# Altium PCB Power_Board_PCB.PcbDoc (part 3 of 3)
Units mm, origin at the board's own origin, x right, y up, seen from the top; angles counter-clockwise.
Board outline 172.72 x 88.9 mm, 2 copper layers (Top Layer, Bottom Layer); 217 components, 117 nets, 695 pads, 319 vias.
Unrouted connection lines stored in the file: 1.
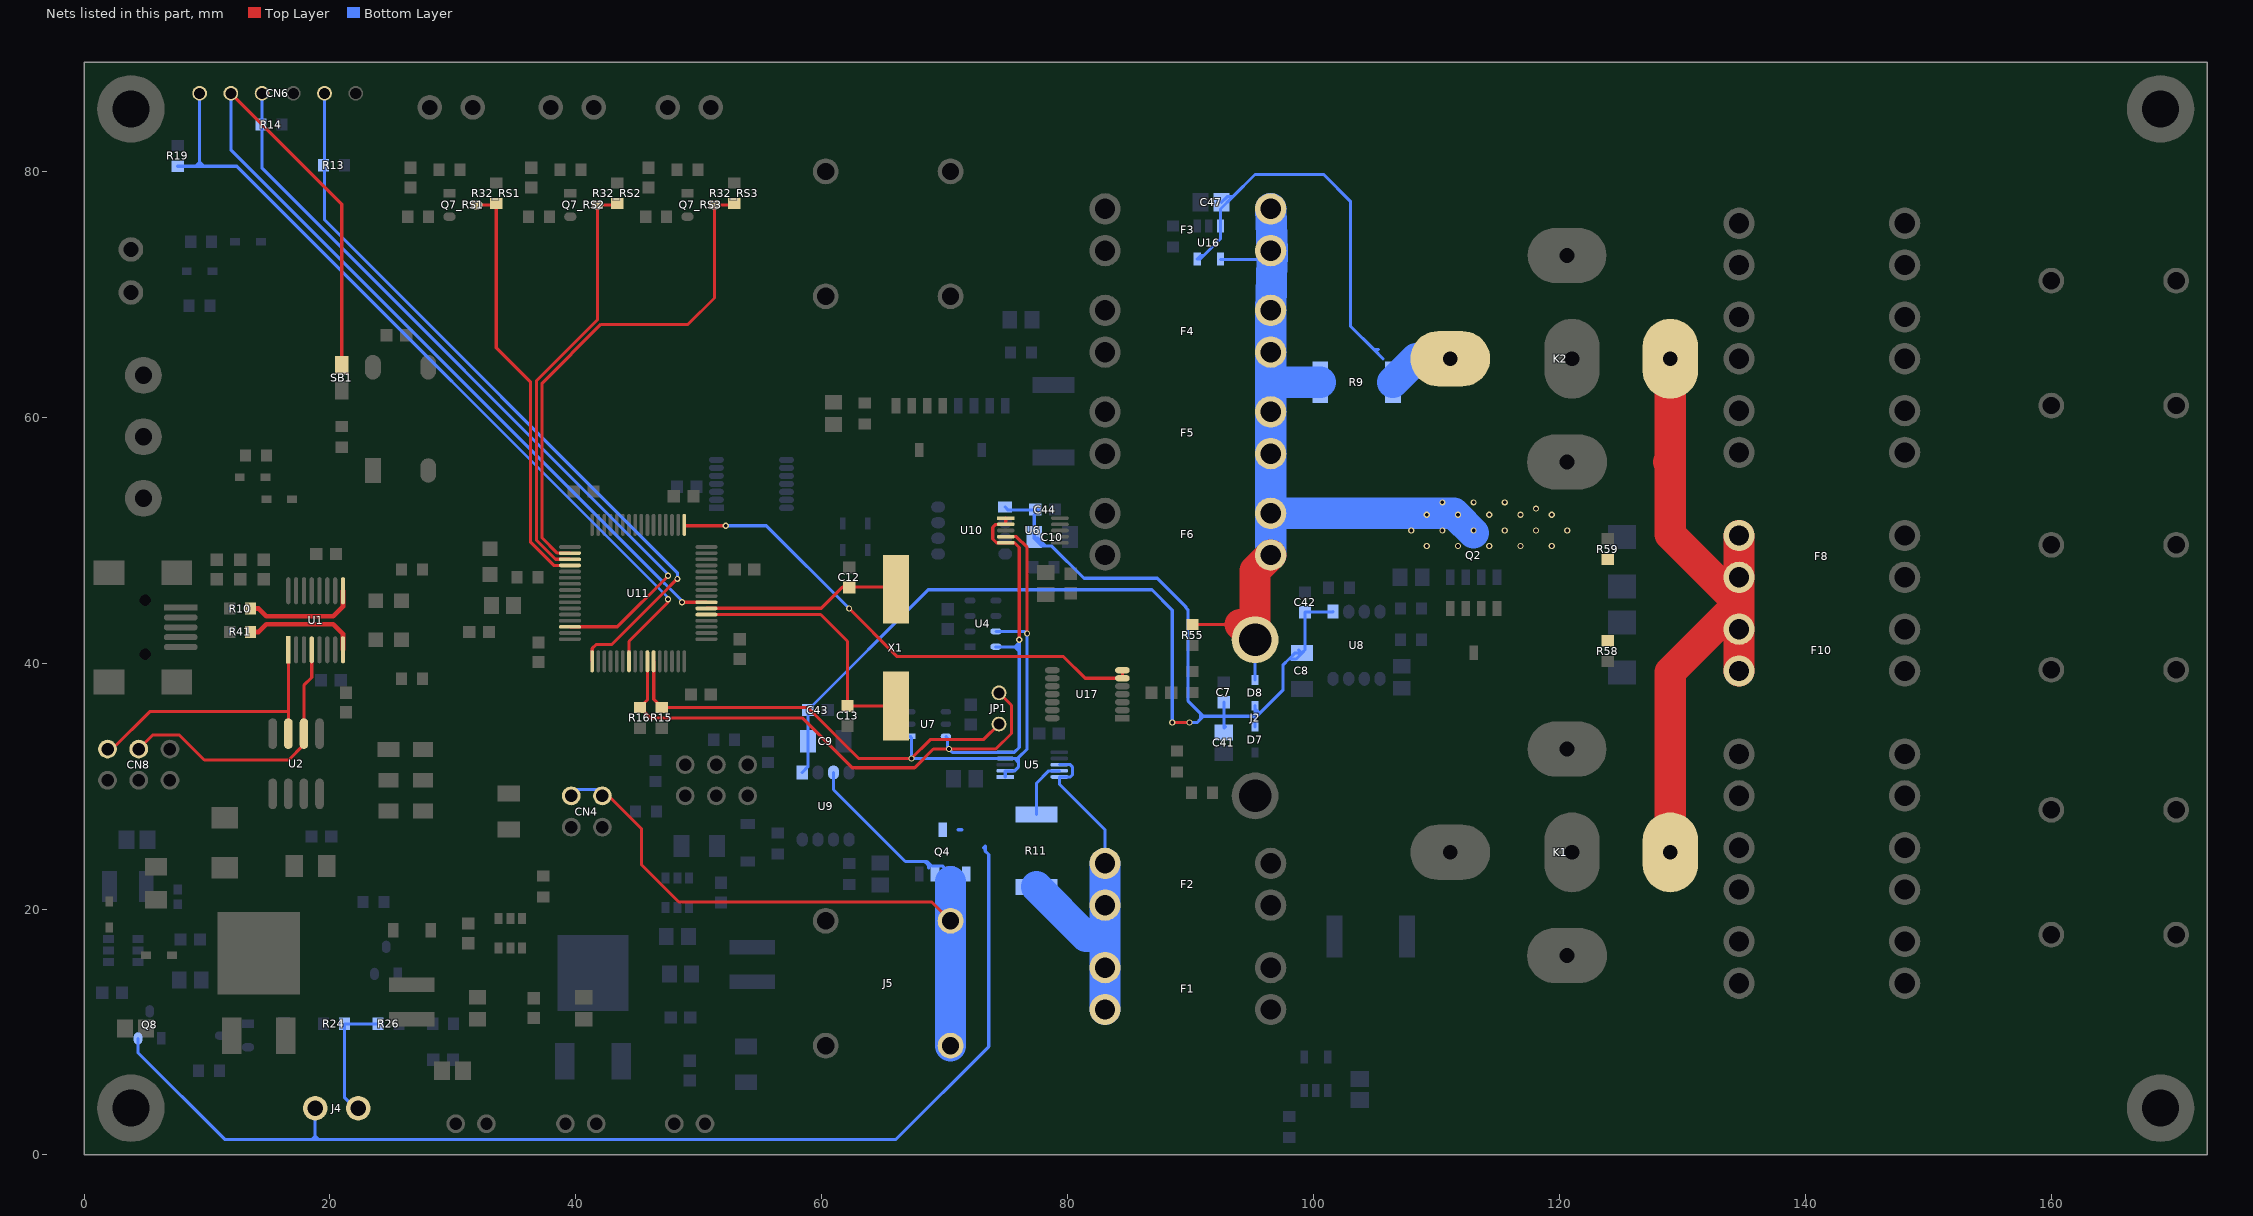
[diagram p3: the nets of this part, all layers, seen from the top]

## Via types
v1: diameter 0.508, hole 0.3, Top Layer to Bottom Layer, 182 vias
v2: diameter 1.016, hole 0.508, Top Layer to Bottom Layer, 86 vias
v3: diameter 1.016, hole 0.635, Top Layer to Bottom Layer, 51 vias

## Nets (pads, with @x,y where several pads share a name; then routed paths per layer and width w, separated by ;. In a path a pad name is that pad's centre, name@x,y a point inside that pad or via, vN(x,y) a via of type N, cw(c..) or ccw(c..) an arc to the next point about the centre after c; other vN are vias at no path point) (continued)
NetU11_17: U11.17 U17.6 U17.7 | length 41.5
  Top Layer w0.254: U11.17@48.835,51.27 48.835,51.181 v1(52.197,51.181) ; v1(62.23,44.45) 66.142,40.538 79.67,40.538 81.429,38.78 U17.6@84.455,38.78 U17.7@84.455,39.43
  Bottom Layer w0.254: v1(52.197,51.181) 55.499,51.181 v1(62.23,44.45)
NRST: CN6.5 SB1.2 U11.7 | length 84.5
  Top Layer w0.254: CN6.5@11.938,86.36 20.955,77.343 SB1.2@20.955,64.23 ; v1(48.641,44.958) U11.7@50.623,44.958 U11.7@50.635,44.97
  Bottom Layer w0.254: CN6.5@11.938,86.36 11.938,81.77 47.235,46.473 47.253,46.473 48.641,45.085 v1(48.641,44.958)
OSC_IN: C13.2 U11.5 X1.2 | length 21.6
  Top Layer w0.254: U11.5@50.635,43.97 59.916,43.97 62.103,41.783 C13.2@62.103,36.525 X1.2@66.04,36.525
OSC_OUT: C12.2 U11.6 X1.1 | length 16.2
  Top Layer w0.254: U11.6@50.635,44.47 59.964,44.47 61.684,46.19 C12.2@62.23,46.19 65.875,46.19 X1.1@66.04,46.025
"Reed Switch Line": J4.2 R24.2 R26.2 | length 10.3
  Bottom Layer w0.254: J4.2@22.296,3.556 21.17,4.682 R24.2@21.17,10.668 R26.2@23.915,10.668
Reed-Switch-Input1: Q7_RS1.3 R32_RS1.1 U11.36 | length 34.3
  Top Layer w0.254: Q7_RS1.3@31.918,77.277 33.423,77.277 R32_RS1.1@33.528,77.382 ; R32_RS1.1@33.782,77.277 33.528,77.023 33.528,65.659 36.322,62.865 36.322,49.839 38.203,47.958 U11.36@39.523,47.958
Reed-Switch-Input2: Q7_RS2.3 R32_RS2.1 U11.35 | length 34.3
  Top Layer w0.254: U11.35@39.523,48.458 38.349,48.458 36.805,50.003 36.805,62.978 41.753,67.927 Q7_RS2.3@41.753,77.277 43.258,77.277 R32_RS2.1@43.363,77.382
Reed-Switch-Input3: Q7_RS3.3 R32_RS3.1 U11.34 | length 41.5
  Top Layer w0.254: U11.34@39.523,48.958 38.496,48.958 37.262,50.192 37.262,62.789 42.037,67.564 49.129,67.564 51.278,69.713 Q7_RS3.3@51.278,77.277 52.783,77.277 R32_RS3.1@52.888,77.382
Right-Battery: C47.2 K2.30 R9.1 U16.3 U16.5 | length 39.1
  Bottom Layer w0.254: C47.2@92.519,77.495 92.976,77.953 93.447,77.953 ; 105.283,65.532 104.902,65.532 ; 105.664,64.77 104.902,65.532 ; 91.059,73.152 92.441,74.534 U16.3@92.441,75.569 92.441,76.947 93.447,77.953 ; 91.059,73.152 90.776,72.869 U16.5@90.541,72.869 90.824,73.152 91.059,73.152 ; 93.447,77.953 95.25,79.756 100.838,79.756 103.004,77.59 103.004,67.43 104.902,65.532
  Bottom Layer w2.54: R9.1@106.455,62.865 108.36,64.77 K2.30@111.132,64.77
Right-Battery-Shunted: D8.A F3.2 F4.2 F5.2 F6.2 J2.2 Q2.5 R9.2 R55.1 U16.4 | length 70.5
  Top Layer w0.254: R55.1@90.17,43.141 J2.2@94.019,43.141
  Top Layer w2.54: J2.2@94.019,43.141 J2.2@95.25,41.91 95.25,47.527 F6.2@96.52,48.797
  Bottom Layer w0.254: U16.4@92.441,72.847 96.631,72.847 F3.2@96.668,72.847 ; D8.A@95.25,38.642 J2.2@95.25,41.91
  Bottom Layer w2.54: F6.2@96.52,48.797 F6.2@96.52,52.197 ; F3.2@96.52,76.962 96.642,73.566 F3.2@96.668,72.847 ; F3.2@96.647,73.435 96.631,72.847 F4.2@96.52,68.707 F4.2@96.52,65.307 96.52,62.88 ; R9.2@100.555,62.865 96.534,62.865 96.52,62.88 ; Q2.5@113.03,50.59 111.655,51.965 111.423,52.197 F6.2@96.52,52.197 ; F6.2@96.52,52.197 F5.2@96.52,57.052 F5.2@96.52,60.452 96.52,62.88
  other v1: 109.22,49.53 111.76,49.53 114.3,49.53 116.84,49.53 119.38,49.53 107.95,50.8 110.49,50.8 113.03,50.8 115.57,50.8 118.11,50.8 120.65,50.8 109.22,52.07 111.76,52.07 114.3,52.07 116.84,52.07 119.38,52.07 118.11,52.578 110.49,53.086 113.03,53.086 115.57,53.086
RX-USB: CN8.2 U1.4 U2.2 | length 23.3
  Top Layer w0.254: CN8.2@4.445,33.02 5.588,34.163 7.747,34.163 9.779,32.131 16.637,32.131 17.882,33.376 U2.2@17.882,34.276 17.882,38.202 18.517,38.837 U1.4@18.517,41.097
SCL: JP1.2 R16.2 U4.8 U5.5 U6.1 U6.2 U6.5 U7.6 U11.58 | length 72.6
  Top Layer w0.254: U11.58@45.835,40.17 45.835,37.033 R16.2@45.212,36.41 46.062,35.56 58.42,35.56 62.484,31.496 67.564,31.496 69.088,33.02 v1(70.358,33.02) 74.168,33.02 75.438,34.29 75.438,36.576 JP1.2@74.422,37.592 ; U6.1@74.975,51.8 U6.2@74.975,51.3 74.16,51.3 73.914,51.054 73.914,50.107 74.221,49.8 U6.5@74.975,49.8 75.683,49.8 76.073,49.41 v1(76.073,41.91)
  Bottom Layer w0.254: U7.6@70.104,34.052 70.231,33.925 70.231,33.147 v1(70.358,33.02) 70.628,32.75 U5.5@74.93,32.75 75.676,32.75 76.073,33.147 76.073,40.956 ; U4.8@74.143,41.32 75.708,41.32 ; 76.073,41.295 76.073,41.177 ; 76.073,41.298 v1@76.073,41.685 ; v1(76.073,41.91) v1@76.073,41.685 ; 75.708,41.32 76.073,40.956 ; 75.708,41.32 75.819,41.431 ; 75.819,41.431 v1@76.073,41.685 ; 75.819,41.431 76.073,41.177 ; 76.073,40.956 76.073,41.177
SDA: JP1.1 R15.2 U4.7 U5.1 U5.2 U5.4 U6.4 U7.1 U11.59 | length 70
  Top Layer w0.254: U11.59@46.335,40.17 46.335,37.065 R15.2@46.99,36.41 58.84,36.41 63,32.25 63.008,32.258 v1(67.31,32.258) 68.834,33.782 73.152,33.782 JP1.1@74.422,35.052 ; U6.4@74.975,50.3 75.83,50.3 76.708,49.422 v1(76.708,42.418)
  Bottom Layer w0.254: U7.1@67.204,34.052 67.31,33.946 v1(67.31,32.258) 67.318,32.25 U5.4@74.93,32.25 75.7,32.25 ; U4.7@74.168,42.596 76.632,42.596 76.708,42.52 v1(76.708,42.418) 76.708,33.02 75.997,32.309 ; U5.1@74.93,30.75 U5.2@74.93,31.25 75.7,31.25 75.997,31.547 75.997,31.953 ; 75.7,32.25 75.938,32.25 ; 75.7,32.25 75.997,31.953 ; 75.938,32.25 75.997,32.309 ; 75.938,32.25 75.997,32.191 ; 75.997,31.953 75.997,32.191 ; 75.997,32.191 75.997,32.309
SWCLK: CN6.2 R13.2 U11.49 | length 61.7
  Top Layer w0.254: U11.49@41.335,40.17 41.335,41.208 41.656,41.529 42.926,41.529 46.863,45.466 46.863,45.475 48.251,46.863 v1(48.26,46.863)
  Bottom Layer w0.254: CN6.2@19.558,86.36 19.558,76.064 48.26,47.362 v1(48.26,46.863)
SWDIO: CN6.4 R14.1 U11.46 | length 62.6
  Top Layer w0.254: U11.46@39.535,42.97 43.382,42.97 47.498,47.086 v1(47.498,47.108)
  Bottom Layer w0.254: CN6.4@14.478,86.36 14.478,80.264 47.498,47.244 v1(47.498,47.108)
SWO: CN6.6 R19.1 U11.55 | length 67.8
  Top Layer w0.254: U11.55@44.335,40.17 44.323,40.182 44.323,41.783 47.498,44.958 v1(47.498,45.212)
  Bottom Layer w0.254: R19.1@7.62,80.43 9.056,80.43 ; CN6.6@9.398,86.36 9.398,80.772 ; v1(47.498,45.212) 47.498,45.348 12.416,80.43 9.74,80.43 ; 9.056,80.43 9.398,80.772 ; 9.056,80.43 9.398,80.43 ; 9.398,80.43 9.398,80.772 ; 9.398,80.43 9.74,80.43 ; 9.398,80.772 9.74,80.43
System-Draw: F1.1 F2.1 R11.2 U5.8 U5.10 | length 30.6
  Bottom Layer w0.254: U5.8@79.33,31.75 80.213,31.75 80.391,31.572 80.391,30.912 80.229,30.75 U5.10@79.33,30.75 79.33,30.181 83.05,26.461 F2.1@83.05,23.72
  Bottom Layer w2.54: R11.2@77.47,21.815 81.505,17.78 83.05,17.78 ; F1.1@83.05,11.84 F1.1@83.05,15.24 83.05,17.78 ; F2.1@83.05,23.72 F2.1@83.05,20.32 83.05,17.78
System-Draw-Shunted: J4.1 Q4.5 Q8.2 R11.1 U5.9 | length 101.1
  Bottom Layer w0.254: Q8.2@4.384,9.484 4.384,8.316 11.43,1.27 18.542,1.27 ; J4.1@18.796,3.556 18.796,1.524 ; 71.106,26.46 71.415,26.46 ; 73.182,24.989 73.309,25.116 73.309,24.719 73.584,24.444 73.584,8.814 66.04,1.27 19.05,1.27 ; R11.1@77.47,27.715 77.47,30.251 78.469,31.25 U5.9@79.33,31.25 ; 18.542,1.27 18.796,1.524 ; 18.542,1.27 18.796,1.27 ; 18.796,1.27 18.796,1.524 ; 18.796,1.27 19.05,1.27 ; 18.796,1.524 19.05,1.27
System-Power: CN4.1 CN4.2 J5.2 Q4.1 Q4.2 Q4.3 U9.3 | length 65.7
  Top Layer w0.254: CN4.2@42.164,29.718 45.339,26.543 45.339,23.613 48.378,20.574 68.961,20.574 J5.2@70.485,19.05
  Bottom Layer w0.254: CN4.1@39.624,29.718 CN4.2@42.164,29.718 ; U9.3@60.96,31.115 60.96,29.718 66.802,23.876 68.199,23.876 ; Q4.2@70.485,22.86 69.85,23.495 68.961,23.495 68.58,23.876 68.199,23.876 ; 68.199,23.876 cw(c68.199,23.368) 68.707,23.368 ccw(c68.199,23.368) 68.199,23.876
  Bottom Layer w2.54: J5.2@70.485,8.89 J5.2@70.485,19.05 70.485,22.225
Tether: F8.2 F10.2 K1.87 K2.87 R58.1 R59.1 | length 56
  Top Layer w2.54: 128.887,56.37 129.032,56.515 ; K1.87@129.032,24.62 129.032,39.292 134.62,44.88 ; K2.87@129.032,64.77 129.032,56.515 ; F10.2@134.62,39.37 F10.2@134.62,42.77 134.62,44.88 ; F8.2@134.62,50.39 F8.2@134.62,46.99 134.62,44.88 ; 129.032,56.515 129.032,50.468 134.62,44.88
TX-USB: CN8.1 U1.1 U2.3 | length 22.6
  Top Layer w0.254: CN8.1@1.905,33.02 2.286,33.02 5.334,36.068 16.612,36.068 ; U2.3@16.612,34.276 16.612,36.068 ; U1.1@16.612,40.945 16.612,36.068
USB_Data_N: R10.2 U1.9 | length 9.4
  Top Layer w0.381: R10.2@13.55,44.45 14.19,44.45 14.825,43.815 20.265,43.815 21.057,44.607 U1.9@21.057,45.897
USB_Data_P: R41.2 U1.8 | length 9.4
  Top Layer w0.381: R41.2@13.55,42.545 14.19,42.545 14.825,43.18 20.264,43.18 21.057,42.388 U1.8@21.057,41.097
Vbat: C7.2 C8.2 C9.2 C10.2 C41.2 C42.2 C43.2 C44.2 D7.K D8.K U8.1 U9.1 U10.1 | length 106.1
  Top Layer w0.254: v1(88.519,35.179) v1(89.916,35.179)
  Bottom Layer w0.254: U9.1@58.42,31.115 58.875,31.57 C9.2@58.875,33.655 58.89,33.67 C43.2@58.89,36.195 68.669,45.974 86.868,45.974 88.519,44.323 v1(88.519,35.179) ; U10.1@74.93,52.705 75.177,52.458 77.693,52.458 77.29,52.055 C10.2@77.29,50.267 C10.2@77.29,50.165 ; v1(89.916,35.179) 90.551,35.179 90.805,35.433 ; C7.2@92.71,36.83 92.71,35.687 ; 92.798,35.687 95.25,35.687 ; C41.2@92.822,34.832 92.71,34.72 92.71,35.687 ; D7.K@95.25,34.832 95.25,35.687 ; D8.K@95.25,36.542 D8.K@95.25,36.322 ; C8.2@98.806,41.074 C8.2@99.06,40.82 ; C8.2@99.225,40.985 C8.2@99.06,40.82 ; C8.2@99.314,41.074 C42.2@99.314,44.158 101.563,44.158 U8.1@101.6,44.195 ; C10.2@77.29,50.165 77.597,50.165 78.232,49.53 ; C10.2@77.29,50.165 77.925,49.53 78.232,49.53 ; 78.232,49.53 78.715,49.53 81.331,46.914 87.301,46.914 89.611,44.603 89.611,44.532 89.789,44.354 89.789,36.957 90.805,35.941 ; 90.805,35.433 91.059,35.687 ; 90.805,35.433 90.805,35.941 ; 90.805,35.941 91.059,35.687 ; 91.059,35.687 92.71,35.687 ; 95.25,35.687 95.25,35.941 ; 95.25,35.687 95.377,35.687 95.631,35.941 ; 95.25,35.941 D8.K@95.25,36.322 ; 95.25,35.941 95.631,35.941 ; D8.K@95.25,36.322 95.631,35.941 ; 95.631,35.941 97.536,37.846 97.536,39.878 98.007,40.349 ; 98.007,40.349 98.589,40.349 C8.2@99.06,40.82 ; 98.007,40.349 98.478,40.82 C8.2@99.06,40.82
pads on no net: MH1.1 MH2.1 MH3.1 MH4.1 P1.4 P1.@4.982,40.721 P1.@4.982,45.121 SW2.1 U1.2 U1.6 U1.11 U1.15 U1.16 U4.5 U4.6 U7.3 U7.4 U8.6 U8.7 U8.8 U9.6 U9.7 U9.8 U10.6 U10.7 U10.8 U11.2 U11.3 U11.4 U11.8 U11.11 U11.24 U11.25 U11.26 U11.29 U11.30 U11.37 U11.38 U11.51 U11.52 U11.53 U11.54 U11.56 U11.57 U11.61 U11.62 U13.3 U13.4 U17.8 U17.9 U17.10 U17.12 U17.13 U17.14

## Polygon pours and split planes (outlines as drawn)
GND on Top Layer "GND_L01_P1042" (solid, pour order 1042): 141.478,3.175 cw(c138.938,3.175) 138.938,0.635 60.96,0.635 cw(c60.96,3.175) 58.42,3.175 58.42,6.985 58.42,20.193 66.04,20.193 66.04,27.94 87.656,27.94 88.621,24.892 88.876,24.892 cw(c88.876,21.827) 91.941,21.827 ccw(c91.941,22.265) 92.38,22.265 92.38,27.763 ccw(c91.748,27.763) 92.354,27.94 105.41,27.94 105.41,36.195 108.458,36.195 108.458,38.227 110.109,38.227 110.109,42.545 112.141,42.545 112.141,49.149 95.631,49.149 95.631,48.26 85.217,48.26 85.217,69.215 74.295,69.215 74.295,63.5 58.42,63.5 58.42,87.309 cw(c59.757,87.309) 59.757,88.646 138.938,88.646 cw(c138.938,86.106) 141.478,86.106
GND-USB on Top Layer "GND-USB_L01_P1038" (solid, pour order 1038): 7.874,34.798 cw(c7.874,33.782) 8.89,33.782 8.89,31.75 21.404,31.75 cw(c21.844,32.004) 21.336,32.004 21.336,32.512 cw(c23.789,32.512) 22.054,34.246 22.37,34.562 cw(c24.166,32.766) 24.166,35.306 29.083,35.306 cw(c29.083,34.544) 29.464,35.204 29.464,50.546 0,50.546 0,33.66 cw(c1.138,33.66) 1.138,34.798
Tether on Top Layer "TETHER_L01_P608" (solid, pour order 862): 129.286,20.828 ccw(c129.286,23.368) 131.826,23.368 131.826,34.087 cw(c134.061,34.087) 134.061,36.322 139.243,36.322 ccw(c139.243,38.557) 141.478,38.557 141.478,52.121 ccw(c139.243,52.121) 139.243,54.356 133.35,54.356 cw(c133.35,55.88) 133.35,54.356 cw(c133.35,55.88) 131.826,55.88 131.826,65.786 ccw(c129.032,65.786) 129.032,68.58 ccw(c129.032,65.532) 129.032,68.58 ccw(c129.032,65.532) 125.984,65.532 125.984,63.627 cw(c121.031,63.627) 125.984,63.627 cw(c121.031,63.627) 125.984,63.615 125.984,57.063 cw(c122.515,57.063) 124.968,54.61 ccw(c130.487,49.091) 122.682,49.091 122.682,40.571 ccw(c130.487,40.571) 124.968,35.052 cw(c121.902,31.986) 126.238,31.986 cw(c121.902,31.986) 126.238,31.986 126.238,23.933 cw(c119.685,23.927) 126.238,23.927 126.238,23.622 ccw(c129.032,23.622) 129.032,20.828 129.286,20.828 ccw(c129.286,23.368)
GND on Top Layer "GND_L01_P1034" (solid, pour order 1034): 82.296,21.844 93.218,21.844 93.218,31.115 91.567,29.464 90.17,29.464 88.265,31.369 88.265,31.877 86.106,34.036 86.106,35.814 86.36,35.687 85.471,36.576 85.471,38.227 88.685,41.441 91.313,41.529 91.313,36.83 92.71,35.433 91.821,34.544 93.218,34.544 93.218,51.308 82.296,47.147
Battery2 on Top Layer "BATTERY2_L01_P857" (solid, pour order 857): 132.588,56.134 ccw(c133.604,56.134) 133.604,55.118 139.522,55.118 ccw(c139.522,56.82) 139.522,55.118 ccw(c139.522,56.82) 141.224,56.82 141.224,69.18 141.224,71.45 141.224,74.935 ccw(c136.652,74.93) 136.652,79.502 130.681,79.502 ccw(c130.681,73.17) 124.349,73.17 cw(c121.587,73.17) 121.587,70.409 120.828,70.409 ccw(c120.828,67.996) 118.415,67.996 118.415,63.729 ccw(c120.955,63.729) 120.955,61.189 122.682,61.189 ccw(c122.682,63.729) 125.222,63.729 125.222,65.786 cw(c128.778,65.786) 125.222,65.786 cw(c128.778,65.786) 128.778,69.342 129.54,69.342 cw(c129.54,66.294) 129.54,69.342 cw(c129.54,66.294) 132.588,66.294 ccw(c129.54,66.294) 132.588,66.294
Battery1 on Top Layer "BATTERY1_L01_P856" (solid, pour order 856): 116.967,22.052 ccw(c118.953,22.052) 118.953,20.066 121.412,20.066 cw(c121.412,17.613) 123.146,19.348 124.714,17.78 cw(c123.488,16.554) 125.222,16.554 125.222,14.059 ccw(c127.762,14.059) 125.966,12.263 126.083,12.155 ccw(c131.111,16.653) 131.111,9.906 134.62,9.906 ccw(c134.62,16.757) 141.471,16.757 141.471,17.846 cw(c141.471,16.062) 141.478,17.846 141.478,33.21 ccw(c139.141,33.21) 139.141,35.546 133.936,35.546 ccw(c133.936,34.198) 132.588,34.198 132.588,23.361 cw(c129.286,23.361) 129.286,20.059 129.025,20.059 cw(c129.025,23.615) 125.469,23.615 125.469,28.226 ccw(c123.984,28.226) 123.984,29.711 118.855,29.711 ccw(c118.855,27.823) 116.967,27.823
Left-Battery-Shunted on Top Layer "LEFT-BATTERY-SHUNTED_L01_P849" (solid, pour order 849): 119.126,35.814 ccw(c119.126,38.608) 121.92,38.608 121.92,41.037 121.92,41.402 ccw(c120.396,41.402) 120.396,42.926 111.057,42.926 ccw(c111.057,42.533) 110.674,42.621 cw(c107.442,42.425) 109.731,40.135 105.664,36.068 cw(c99.532,42.2) 99.532,33.528 96.266,33.528 ccw(c96.266,29.972) 92.71,29.972 92.71,13.462 ccw(c96.774,13.462) 96.774,9.398 98.044,9.398 ccw(c98.044,13.97) 102.616,13.97 102.616,23.506 cw(c107.188,23.506) 103.955,26.739 109.474,32.258 109.501,32.231 cw(c119.126,21.097)
Right-Battery-Shunted on Top Layer "RIGHT-BATTERY-SHUNTED_L01_P847" (solid, pour order 847): 120.65,48.514 ccw(c120.65,49.784) 121.92,49.784 121.92,51.054 ccw(c119.38,51.054) 119.38,53.594 109.728,53.594 ccw(c109.728,51.054) 107.188,51.054 ccw(c109.728,51.054) 109.728,48.514
Motor-Power on Top Layer "MOTOR-POWER_L01_P853" (solid, pour order 853): 66.802,59.944 74.168,59.944 74.168,67.501 ccw(c70.612,67.501) 70.485,71.054 ccw(c70.358,67.501) 66.802,67.501
GND on Top Layer "GND_L01_P794" (solid, pour order 843): 5.259,68.711 6.406,67.564 16.326,67.564 14.986,67.437 17.17,67.437 ccw(c17.17,67.666) 17.399,67.666 ccw(c17.278,67.678) 17.4,67.678 ccw(c17.278,67.678) 17.399,67.691 17.399,75.565 ccw(c17.272,75.565) 17.272,75.692 ccw(c17.145,75.565) 17.272,75.692 ccw(c17.272,75.565) 17.272,75.692 ccw(c17.272,75.565) 17.145,75.565 17.145,67.945 cw(c17.018,67.945) 17.018,67.818 16.51,67.818 cw(c16.51,67.945) 16.383,67.945 16.383,75.565 ccw(c16.256,75.565) 16.256,75.692 ccw(c16.256,75.565) 16.129,75.565 16.129,67.945 cw(c16.002,67.945) 16.002,67.818 15.494,67.818 cw(c15.494,67.945) 15.367,67.945 15.367,75.565 ccw(c15.24,75.565) 15.24,75.692 ccw(c15.24,75.565) 15.113,75.565 15.113,67.945 cw(c14.986,67.945) 14.986,67.818 14.478,67.818 cw(c14.478,67.945) 14.351,67.945 14.351,75.565 ccw(c14.224,75.565) 14.224,75.692 ccw(c14.161,75.565) 14.224,75.692 ccw(c14.256,75.565) 14.224,75.692 ccw(c14.224,75.565) 14.097,75.565 14.097,67.945 cw(c13.97,67.945) 13.97,67.818 13.462,67.818 cw(c13.462,67.945) 13.335,67.945 13.335,75.565 ccw(c13.208,75.565) 13.208,75.692 ccw(c13.208,75.565) 13.081,75.565 13.081,67.945 cw(c12.954,67.945) 12.954,67.818 12.446,67.818 cw(c12.446,67.945) 12.319,67.945 12.319,75.565 ccw(c12.192,75.565) 12.192,75.692 ccw(c12.192,75.565) 12.065,75.565 12.065,67.945 cw(c11.938,67.945) 11.938,67.818 11.43,67.818 cw(c11.43,67.945) 11.303,67.945 11.303,75.565 ccw(c11.176,75.565) 11.176,75.692 ccw(c11.176,75.565) 11.049,75.565 11.049,67.945 cw(c10.922,67.945) 10.922,67.818 10.414,67.818 cw(c10.414,67.945) 10.287,67.945 10.287,75.565 ccw(c10.16,75.565) 10.16,75.692 ccw(c10.16,75.565) 10.033,75.565 10.033,67.945 cw(c9.906,67.945) 9.906,67.818 9.398,67.818 cw(c9.398,67.945) 9.271,67.945 9.271,75.565 ccw(c9.144,75.565) 9.144,75.692 ccw(c9.144,75.565) 9.017,75.565 9.017,67.945 cw(c8.89,67.945) 8.89,67.818 8.382,67.818 cw(c8.382,67.945) 8.255,67.945 8.255,75.565 ccw(c8.128,75.565) 8.128,75.692 ccw(c8.128,75.565) 8.128,75.692 ccw(c8.128,75.565) 8.128,75.692 ccw(c8.128,75.565) 8.001,75.565 ccw(c8.128,75.57) 8.001,75.565 8.001,67.945 cw(c7.874,67.945) 7.874,67.818 7.415,67.818 cw(c7.415,70.866) 7.414,67.818 cw(c7.414,70.866)
NetJ1_1 on Top Layer "NETJ1_1_L01_P792" (solid, pour order 842): 5.203,75.053 cw(c7.362,72.889) 7.362,75.946 cw(c7.362,72.889) 7.366,75.946 cw(c7.366,75.819) 7.493,75.819 7.493,68.199 ccw(c7.62,68.199) 7.62,68.072 ccw(c7.62,68.199) 7.747,68.199 7.747,75.819 cw(c7.874,75.819) 7.874,75.946 8.382,75.946 cw(c8.382,75.819) 8.509,75.819 8.509,68.199 ccw(c8.636,68.199) 8.636,68.072 ccw(c8.636,68.199) 8.763,68.199 8.763,75.819 cw(c8.89,75.819) 8.89,75.946 9.398,75.946 cw(c9.398,75.819) 9.525,75.819 9.525,68.199 ccw(c9.652,68.199) 9.652,68.072 ccw(c9.652,68.199) 9.779,68.199 9.779,75.819 cw(c9.906,75.819) 9.906,75.946 10.414,75.946 cw(c10.414,75.819) 10.541,75.819 10.541,68.199 ccw(c10.668,68.199) 10.668,68.072 ccw(c10.668,68.199) 10.795,68.199 10.795,75.819 cw(c10.922,75.819) 10.922,75.946 11.43,75.946 cw(c11.43,75.819) 11.557,75.819 11.557,68.199 ccw(c11.684,68.199) 11.684,68.072 ccw(c11.684,68.199) 11.811,68.199 11.811,75.819 cw(c11.938,75.819) 11.938,75.946 12.446,75.946 cw(c12.446,75.819) 12.573,75.819 12.573,68.199 ccw(c12.7,68.199) 12.7,68.072 ccw(c12.7,68.199) 12.827,68.199 12.827,75.819 cw(c12.954,75.819) 12.954,75.946 13.462,75.946 cw(c13.462,75.819) 13.589,75.819 13.589,68.199 ccw(c13.716,68.199) 13.716,68.072 ccw(c13.716,68.199) 13.843,68.199 13.843,75.819 cw(c13.97,75.819) 13.97,75.946 14.478,75.946 cw(c14.478,75.819) 14.605,75.819 14.605,68.199 ccw(c14.732,68.199) 14.732,68.072 ccw(c14.732,68.199) 14.859,68.199 14.859,75.819 cw(c14.986,75.819) 14.986,75.946 15.494,75.946 cw(c15.494,75.819) 15.621,75.819 15.621,68.199 ccw(c15.748,68.199) 15.748,68.072 ccw(c15.748,68.199) 15.875,68.199 15.875,75.819 cw(c16.002,75.819) 16.002,75.946 16.51,75.946 cw(c16.51,75.819) 16.637,75.819 16.637,68.199 ccw(c16.764,68.199) 16.764,68.072 ccw(c16.764,68.199) 16.891,68.199 16.891,76.073 ccw(c16.764,76.073) 16.888,76.099 16.891,76.098 ccw(c16.662,76.098) 16.662,76.327 16.129,76.327 16.552,76.2 6.35,76.2
Left-Battery on Top Layer "LEFT-BATTERY_L01_P854" (solid, pour order 854): 106.68,15.494 ccw(c109.22,15.494) 109.22,12.954 113.665,12.954 ccw(c113.665,15.494) 116.205,15.494 116.205,25.527 ccw(c113.157,25.527) 113.157,28.575 109.728,28.575 ccw(c109.728,25.527) 106.68,25.527
NetQ1_1 on Top Layer "NETQ1_1_L01_P848" (solid, pour order 848): 111.76,44.196 ccw(c112.268,44.196) 112.268,43.688 120.65,43.688 ccw(c120.65,44.958) 121.92,44.958 121.92,46.99 ccw(c121.158,46.99) 121.158,47.752 112.522,47.752 ccw(c112.522,46.99) 111.76,46.99
Right-Battery-Shunted on Top Layer "RIGHT-BATTERY-SHUNTED_L01_P850" (solid, pour order 850): 97.284,35.56 99.06,35.56 ccw(c99.06,38.735) 99.06,35.56 ccw(c99.06,38.735) 102.235,38.735 102.235,56.951 102.235,76.327 ccw(c99.187,76.327) 99.187,79.375 97.155,79.375 ccw(c97.155,76.2) 93.98,76.2 93.98,45.085 cw(c92.71,45.085) 92.71,43.815 ccw(c92.71,42.799) 91.694,42.799 91.694,37.719 ccw(c93.853,37.719) 93.853,35.56 94.307,35.56 96.683,35.56 97.282,35.56 ccw(c97.282,37.338)